# Allegro board MB1225_REVB_160222_1K.brd (continued)
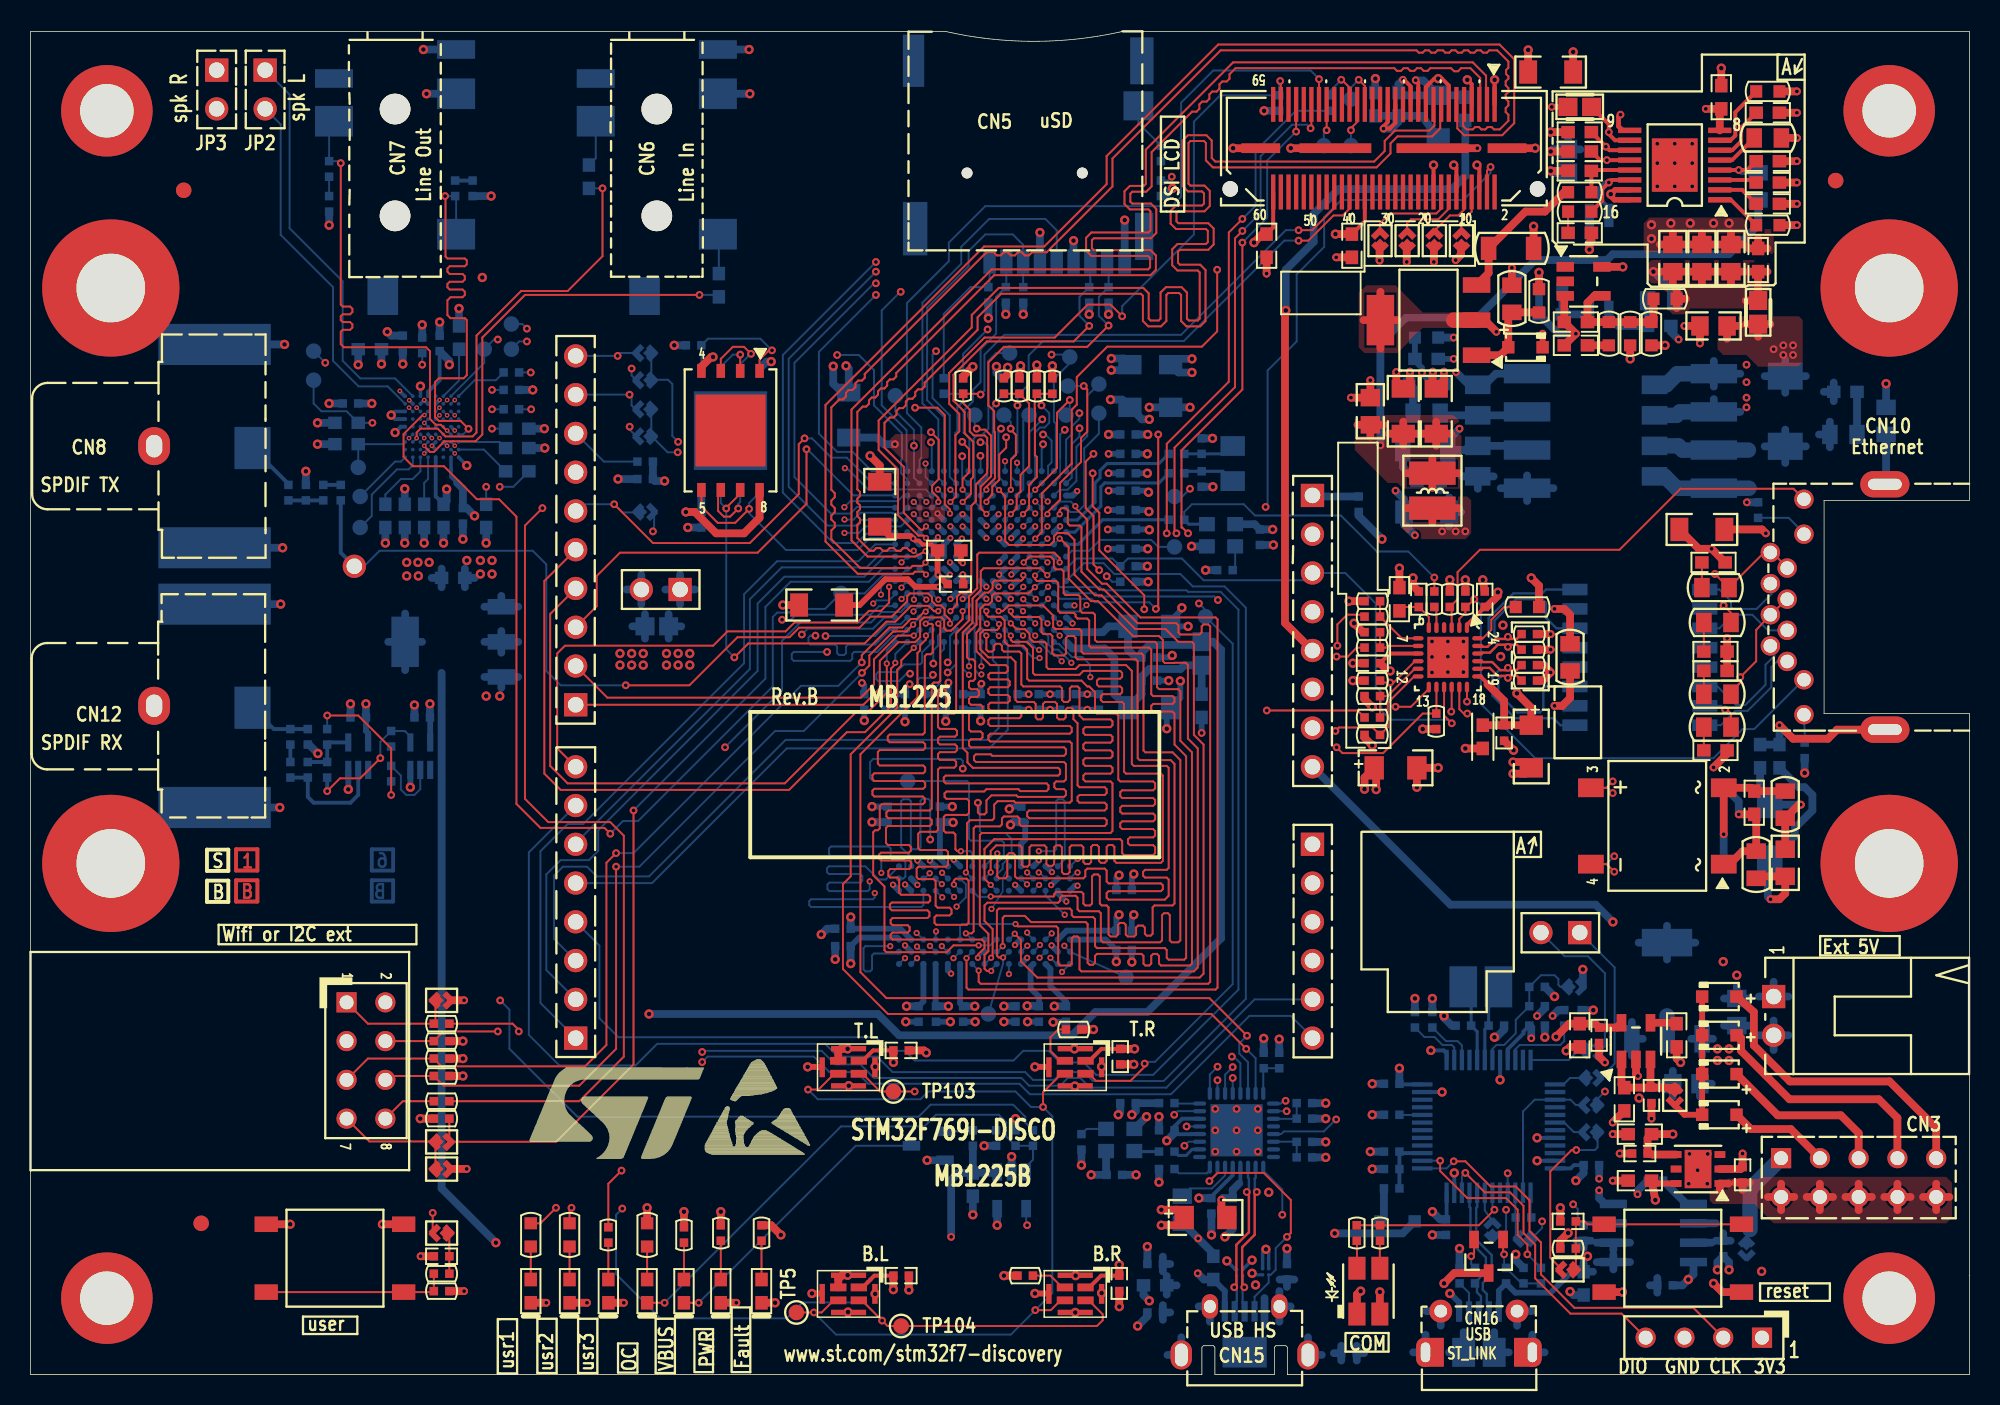
[diagram p0: board, top side]
## Nets (continued)
NETC200_1: C200.1 R85.1 U10.2
NETCN1_8: CN1.8 SB1.1
NETCN1_10: CN1.10 SB2.1
NETCN1_14: CN1.14 SB3.1
NETCN1_16: CN1.16 SB4.1
NETCN1_39: CN1.39 R7.2
NETCN2_1: CN2.1 R50.2 SB5.2
NETCN2_7: CN2.7 SB6.2 SB8.2
NETCN2_8: CN2.8 R57.1
NETCN5_10: CN5.10 R73.2
NETCN9_8: CN9.8 R98.1
NETCN10_1: CN10.1 T4.16
NETCN10_2: CN10.2 T4.14
NETCN10_3: CN10.3 T4.11
NETCN10_4: CN10.4 CN10.5 D4.4 R42.2
NETCN10_6: CN10.6 T4.9
NETCN10_7: CN10.7 CN10.8 D4.3 R26.2
NETCN11_1: CN11.1 R103.1
NETCN14_5: CN14.5 SB13.2 SB14.2
NETCN14_6: CN14.6 SB11.2 SB12.2
NETCN15_4: CN15.4 D12.A2 U20.23
NETCN16_4: CN16.4 R149.2
NETD1_1: D1.1 R10.2 R12.2 T1.1
NETD1_2: D1.2 R2.2
NETD3_1: D3.1 R24.1
NETD5_2: D5.2 D6.2 D7.2 D8.2 SB7.1
NETD9_3: D9.3 R46.2 T4.15
NETD9_4: D9.4 R33.2 T4.10
NETD11_2: D11.2 R141.2
NETJP2_1: JP2.1 U11.B1
NETJP2_2: JP2.2 U11.A2
NETJP3_1: JP3.1 U11.C3
NETJP3_2: JP3.2 U11.B3
NETLD1_1: LD1.1 R62.2
NETLD2_1: LD2.1 R63.2
NETLD3_1: LD3.1 R64.1
NETLD4_1: LD4.1 R65.1
NETLD4_2: LD4.2 R129.1 R130.2 U21.3
NETLD5_1: LD5.1 R66.1
NETLD5_2: LD5.2 T5.3
NETLD6_1: LD6.1 R58.2
NETLD7_1: LD7.1 R59.1
NETLD7_2: LD7.2 R150.1 U22.8
NETLD8_2: LD8.2 R60.2
NETLD8_3: LD8.3 R61.2
NETR1_2: R1.2 U1.7
NETR2_1: R2.1 R10.1 U1.10
NETR3_2: R3.2 U1.5
NETR4_2: R4.2 R9.2 T1.3
NETR5_2: R5.2 U1.14 U10.4
NETR6_1: R6.1 U1.1
NETR20_2: R20.2 R21.2 U13.E5
NETR27_2: R27.2 U3.5
NETR30_1: R30.1 R32.1 U3.7
NETR31_1: R31.1 U3.24
NETR34_1: R34.1 R36.1 U3.8
NETR38_1: R38.1 T4.7
NETR38_2: R38.2 T4.2
NETR43_1: R43.1 R44.1 U3.11
NETR51_1: R51.1 U6.2
NETR64_2: R64.2 SB15.1
NETR71_1: R71.1 U9.2
NETR87_1: R87.1 U11.D4 U11.D5
NETR88_2: R88.2 U11.H1
NETR94_1: R94.1 U11.G2
NETR95_2: R95.2 U11.F3
NETR100_2: R100.2 R101.1
NETR107_2: R107.2 X2.1
NETR108_2: R108.2 U13.L5
NETR112_1: R112.1 R117.2 U15.2
NETR115_1: R115.1 R116.2 U16.2
NETR121_2: R121.2 U19.3
NETR122_2: R122.2 U19.2
NETR126_1: R126.1 U20.32
NETR127_2: R127.2 U19.44
NETR131_1: R131.1 R132.2 T5.1
NETR134_2: R134.2 X4.1
NETR136_2: R136.2 U20.26
NETR139_1: R139.1 U20.24
NETR140_1: R140.1 U22.5
NETR142_1: R142.1 U20.22
NETR145_1: R145.1 R146.2 R147.1 T3.1
NETR148_2: R148.2 T3.2
NETU20_17: U20.17 U21.4
NRST: CN11.3 R106.1 SB10.1 SB20.2 U3.15 U13.J1 U20.27
OSC_24M: R136.1 X4.3
OSC_25M: R27.1 R104.1 X2.3
OSC_IN: C142.2 U19.5 X3.2
OSC_OUT: C141.2 U19.6 X3.1
PA0: SB9.1 U13.N3
PA1: R45.1 U3.14 U13.N2
PA2: R47.1 U3.12 U13.P2
PA3: U13.R2 U20.3
PA5: U13.P4 U20.1
PA7: R44.2 U13.R3
PA8: CN1.45 TP2.1 U13.F15
PA9: JP5.1 SB18.1 U13.E15
PA10: JP5.2 SB17.1 U13.D15
PA13: SB22.2 U13.A15
PA14: SB19.2 U13.A14
PA15: CN1.47 U13.A13
PB0: U13.R5 U20.4
PB1: U13.R4 U20.5
PB2: U12.6 U13.M5 U250.6
PB3: R92.2 R93.2 U13.A10
PB4: CN5.2 R82.1 U13.A9
PB5: U13.A8 U20.13
PB6: R86.1 U12.1 U13.B6 U250.1
PB7: CN1.40 R90.2 R95.1 U13.B5
PB10: U13.P12 U20.6
PB11: U13.R13 U20.7
PB12: U13.L13 U20.9
PB13: U13.K14 U20.10
PC0: U13.M2 U20.29
PC1: U3.13 U13.M3
PC3: TP101.1 TP103.1 U5.4 U6.4 U13.L4
PC4: R36.2 U13.N5
PC5: R32.2 U13.P5
PC9: U12.5 U13.F14 U250.5
PC10: U12.2 U13.B14 U250.2
PC11: TP100.1 TP104.1 U8.4 U9.4 U13.B13
PC12: R50.1 U13.A12
PC13: TP14.1 U13.D1
PC14: R97.2 U13.E1
PC15: R99.2 U13.F1
PD2: R57.2 U13.D12
PD3: TP5.1 TP102.1 U5.3 U6.3 U8.3 U9.3 U13.C11
PD4: R129.2 U13.D11
PD5: R40.2 U3.10 U13.C10
PD6: CN5.5 U13.B11
PD7: CN5.3 R81.1 U13.A11
PD11: R7.1 R100.1 TP20.1 U13.N10
PD12: CN1.44 R17.1 R88.1 U13.M10
PD13: U12.7 U13.M11 U250.7
PE0: U13.A6 U17.K9
PE1: U13.A5 U17.K1
PE2: U12.3 U13.A3 U250.3
PE3: TP11.1 U11.F2 U13.A2
PE4: TP6.1 U11.E3 U13.A1
PE5: TP8.1 U11.G1 U13.B1
PE6: TP7.1 U11.E4 U13.B2
PF11: U13.P8 U17.J9
PG3: CN2.5 R56.2 U13.M12
PG4: U13.N12 U17.J7
PG5: U13.N11 U17.H8
PG6: R52.1 SB6.1 U13.J15
PG7: TP22.1 U11.D3 U13.J14
PG8: TP26.1 U13.H14 U17.J1
PG9: CN5.7 R80.1 U13.D9
PG10: CN5.8 R79.1 U13.C8
PG11: U3.16 U13.B8
PG12: R112.2 R114.2 U13.C7 U15.4
PG13: U3.17 U13.B3
PG14: U3.18 U13.A4
PG15: U13.B7 U17.K7
PH0: R104.2 U13.G1
PH1: TP21.1 U13.H1
PH2: U13.K4 U17.J2
PH3: U13.J4 U17.J8
PH4: U13.H4 U20.2
PH5: TP28.1 U13.J3 U17.K8
PH7: CN2.6 R54.2 U13.N13
PI4: U13.C3 U17.F8
PI5: U13.D3 U17.F2
PI8: TP12.1 U13.C2
PI11: U13.F3 U20.31
PI12: TP13.1 U13.E3
PI13: CN1.4 U13.G3
PI14: CN1.53 U13.H3
PI15: R73.1 R76.1 U13.G4
PJ2: CN1.49 U13.P7
PJ5: R63.1 U13.M14
PJ12: U11.G3 U13.B10
PJ13: R62.1 U13.B9
PJ14: CN2.4 R200.2 U13.C9
PJ15: CN1.57 R8.2 U13.D10
PK3: TP9.1 U13.D8
PK4: TP18.1 U13.D7
PK5: TP17.1 U13.C6
PK6: TP16.1 U13.C5
PK7: TP15.1 U13.C4
POE1: C3.1 C4.2 C9.1 C12.1 C20.1 C24.1 C70.1 C75.1 C81.1 R9.1 R12.1 R74.1 T2.1 T100.4 U1.9 U10.3
POE2: R24.2 T2.2 T100.3
POE3: R23.2 T1.2 T1.4 T2.3 T100.2
POE4: C20.2 C22.2 L5.1 T2.4 T100.1
POE5: D2.1 R22.1 T2.5 T2.6 T100.7 T100.8
POE7: B2.2 B2.3 C1.1 C2.1 C3.2 C13.1 C14.1 C15.1 C16.1 C18.1 C23.1 C25.1 C27.1 C28.1 C29.1 C30.1 C31.1 C33.1 C35.1 C36.2 C38.2 C41.2 C42.1 C43.1 C44.2 C45.2 C46.1 C47.1 C48.1 C49.1 C50.1 C51.1 C52.1 C53.1 C54.1 C55.2 C56.2 C63.1 C64.2 C65.2 C66.2 C67.1 C68.2 C69.2 C71.2 C72.1 C73.1 C74.2 C76.1 C77.1 C78.2 C79.1 C80.1 C83.1 C84.1 C85.1 C86.1 C88.1 C90.2 C91.2 C92.2 C93.2 C94.2 C95.1 C96.1 C97.1 C98.1 C99.1 C100.1 C101.2 C102.1 C103.1 C104.1 C105.1 C106.1 C107.1 C108.1 C109.1 C110.1 C111.1 C112.1 C113.1 C114.1 C115.1 C116.2 C117.1 C118.1 C123.1 C124.1 C125.1 C126.1 C127.1 C128.1 C129.1 C130.1 C131.1 C132.1 C133.1 C134.1 C135.1 C136.1 C137.1 C138.1 C139.1 C140.2 C141.1 C142.1 C143.1 C144.2 C145.1 C146.1 C147.2 C148.2 C149.1 C150.2 C151.1 C152.1 C153.1 C154.1 C155.1 C156.1 C157.1 CN1.1 CN1.6 CN1.7 CN1.12 CN1.13 CN1.18 CN1.19 CN1.61 CN1.62 CN1.63 CN1.64 CN4.3 CN5.6 CN5.9 CN6.2 CN6.3 CN7.2 CN7.3 CN8.1 CN8.2 CN8.3 CN9.7 CN11.6 CN11.7 CN12.1 CN12.2 CN12.3 CN16.5 CN16.6 CN16.7 CN16.8 CN16.9 CN16.10 CN16.11 D12.B1 D12.B2 D13.B1 D13.B2 H1.1 H2.1 H3.1 H4.1 H5.1 H6.1 H7.1 H8.1 JP1.2 L3.1 L8.1 LD1.2 LD2.2 LD3.2 LD6.2 LD8.1 R14.1 R15.1 R18.1 R21.1 R28.1 R29.1 R31.2 R40.1 R70.1 R77.2 R78.2 R96.2 R102.2 R105.1 R108.1 R111.1 R113.1 R119.1 R121.1 R122.1 R124.1 R127.1 R128.1 R131.2 R133.1 R135.1 R139.2 R140.2 R146.1 R149.1 SB1.2 SB2.2 SB3.2 SB4.2 SB5.1 SB8.1 SB16.1 T2.7 T2.8 T5.2 T100.5 T100.6 U2.5 U3.25 U4.2 U5.2 U5.5 U6.5 U7.2 U7.7 U8.2 U8.5 U9.5 U11.A1 U11.A3 U11.A4 U11.A5 U11.C1 U11.D6 U11.E2 U11.E7 U11.E8 U11.F7 U11.G5 U11.H9 U12.4 U13.F2 U13.F6 U13.F7 U13.F8 U13.F9 U13.F10 U13.G6 U13.G10 U13.G12 U13.H6 U13.H10 U13.J6 U13.J10 U13.K6 U13.K7 U13.K8 U13.K9 U13.K10 U13.L6 U13.M1 U13.N1 U14.1 U15.3 U16.3 U17.A3 U17.B3 U17.B8 U17.C1 U17.D1 U17.E9 U17.F1 U17.L3 U17.L9 U17.M1 U17.N1 U17.P3 U17.P8 U17.R3 U18.1 U19.8 U19.20 U19.23 U19.35 U19.47 U20.33 U21.2 U22.4 U250.4 X2.2 X4.2
PWR_ENN: R144.1 U19.28 U22.3
PWR_EXT: R135.2 R138.1 R141.1 U19.39
RD_N: R37.2 T4.8 U3.22
RD_P: R35.2 T4.6 U3.23
REFSEL0: R123.1 R124.2 U20.8
REFSEL1: R125.1 R128.2 U20.11
REFSEL2: R133.2 R137.1 U20.14
SCLK_MCLK: CN1.35 TP1.1
STLINK_RX: SB18.2 U19.13
STLINK_TX: SB17.2 U19.12
STM_JTCK: CN4.2 U19.37
STM_JTMS: CN4.4 U19.34
STM_RST: C132.2 R118.1 SB16.2 U19.7
SWO: R92.1 SB21.2
T_JTCK: SB19.1 U19.15 U19.26
T_JTMS: R143.1 SB22.1 U19.27
T_NRST: SB20.1 U19.18
T_SWDIO_IN: R143.2 U19.25
T_SWO: SB21.1 U19.31
TD_N: R41.2 T4.3 U3.20
TD_P: R39.2 T4.1 U3.21
USB_HS_N: CN15.2 D13.A1 U20.19
USB_HS_P: CN15.3 D13.A2 U20.18
USB_RENUMN: R145.2 U19.38
USB_STLK_N: CN16.2 U19.32
USB_STLK_P: CN16.3 R148.1 U19.33
USD_D2: CN5.1 R83.1 R93.1
VREF+: C85.2 C101.1 C102.2 R98.2 R110.2 U13.P1

Pads without a net: CN1 2 20 22 24 25 26 28 30 31 32 33 34 38 41 42 43 46 48 50 51 52 54 55 56 58 59; CN5 11 12 13 14; CN6 5 7; CN7 5 7; T4 4 5 12 13; U2 1 2; U3 4; U7 3 5; U11 A6 A8 B4 B5 B8 C4 C5 C7 C8 E1 E5 F4 F5 F6 F8 F9 G4 H2 H3 H4 H5; U12 9; U15 1; U16 1; U17 E7 H3 H7 K2 K3; U19 4 11 14 16 17 19 21 22 29 40 41 42 43 45 46; U20 12 15 16 25; U250 9

## Via types
v1: diameter 0.61, hole 0.305, TOP to BOTTOM, 349 vias
v2: diameter 0.508, hole 0.254, TOP to BOTTOM, 354 vias
v3: diameter 0.406, hole 0.203, TOP to BOTTOM, 219 vias
v4: diameter 0.305, hole 0.152, TOP to BOTTOM, 27 vias

## Routing (per net, layer and track width the routed paths; a pad name or vN(x,y) marks a point on that pad's centre or on a via; arc(x,y) is an arc through that point)
1V8: length 171.6
  TOP w0.254: CN1.60 81.4,75.16 C2.2
  TOP w0.508: C2.2 80.69,74.72 v1(80.14,74.17)
  L4_SIG w0.508: v1(80.14,74.17) 80.14,73.66 78.11,71.63 67.56,71.63 66.17,73.03 57.02,73.03 56.13,73.91 51.44,73.91 49.4,71.88 v1(29.59,71.88) ; v1(74.42,15.32) 74.42,14.86 73.15,13.59 73.15,12.7 72.77,12.32 62.1,12.32 60.33,10.54 50.93,10.54 49.66,11.81 42.29,11.81 39.12,8.64 v1(30.48,8.64)
  BOTTOM w0.229: U11.D8 v4(25.79,60.35) ; U11.G9 27.54,59.33
  BOTTOM w0.254: 27.94,58.42 27.54,58.82 27.54,59.33 ; U11.D1 26.04,64.39 26.8,65.15 C64.1 ; U20.28 76.04,15.75 76.03,15.74 75.19,15.74 C145.2 74.93,16.26 75.43,16.76 76.57,16.76 U20.30
  BOTTOM w0.508: v1(74.42,15.32) 74.93,15.82 C145.2 ; 26.92,45.97 26.92,12.19 v1(30.48,8.64) ; 30.84,47.29 U14.2 ; U14.2 30.84,48.72 ; U14.2 31.94,48.01 ; U14.2 29.73,48.01 ; U14.4 25.64,48.01 ; U14.4 24.54,49.86 ; U14.4 24.54,46.15 ; U14.4 23.43,48.01 ; 26.28,52.2 C100.2 ; C100.2 26.92,52.81 ; C100.2 26.92,51.59 ; C64.1 27.43,66.42 v1(27.43,66.17) ; v1(29.08,56.26) 28.57,56.77 28.32,56.77 28.32,58.04 27.94,58.42 ; C94.1 v1(24.51,58.04)
  vias: v1(24.64,53.21) v1(24.64,52.32) v1(25.37,53.21) v1(25.4,52.32) v1(26.11,53.21)
3V3: length 161.8
  TOP w0.254: U3.9 89.02,47.24 C33.2 ; C56.1 70.13,6.48 69.35,5.71 U9.1 ; CN1.36 87.4,75.57 C1.2 ; U6.1 69.36,20.56 70.14,21.34 C45.1 ; C44.1 55.18,21.23 54.51,20.56 U5.1 ; C55.1 55.27,6.48 55.01,6.22 55.01,6.21 54.85,6.05 54.84,6.05 54.5,5.71 U8.1
  TOP w0.508: v1(65.91,66.14) R20.1 ; R45.2 v1(91.19,42.29) ; R67.2 100.2,8.76 v1(100.71,9.27) ; v1(86.36,50.67) R30.2 ; v1(56.52,20.45) 56.52,20.45 C44.1 ; R39.1 99.11,46.48 99.57,46.02 v2(99.57,46) 99.03,45.47 R41.1 ; R66.2 v1(42.8,10.67) ; C56.1 v1(71.31,7.19) ; R71.2 v1(63.75,6.48) ; R52.2 v1(25.53,16.76) ; v1(88.14,38.33) 88.14,39.62 C38.1 87.38,39.12 v1(87.38,38.35) ; U7.4 106.24,14.41 C49.2 105.92,15.49 C48.2 v1(107.57,15.75) ; v1(42.93,56.52) 43.51,56.52 44.91,55.12 46.74,55.12 47.75,56.13 U250.8 ; v1(40.39,10.92) R65.2 ; R43.2 87.38,44.25 v1(87.88,43.74) ; v1(87.88,41.22) 87.38,41.73 R47.2 ; R51.2 v1(69.62,22.61) ; C33.2 88.9,46.1 v1(89.05,46.1) ; B1.4 v1(17.01,9.84) ; B1.1 v1(23.05,9.84) ; v1(64.85,66.09) 64.85,65.86 64.77,65.79 R19.1 ; C55.1 v1(56.52,5.56) ; R200.1 v1(28.32,21.84) ; v1(93.98,41.02) L2.2 ; R35.1 v2(99.57,48.51) ; R54.1 v1(28.32,19.56) ; R37.1 v2(99.57,47.5) ; v1(61.72,66.04) 61.09,65.41 R17.2 ; C45.1 v1(72.31,21.34) ; R34.2 87.27,48.64 v1(86.69,49.23) ; v1(85.47,74.72) C1.2 ; R56.1 v1(28.32,20.7)
  BOTTOM w0.229: v4(24.8,63.84) 25.04,63.6 U11.B2 ; v4(25.79,63.85) 25.54,63.6 U11.C2
  BOTTOM w0.254: C92.1 26.54,57.54 U11.E9 ; U11.D2 26.03,63.6 v4(25.79,63.85)
  BOTTOM w0.381: U17.L1 64.88,34.79 65.15,35.05 65.15,36.2 ; U17.E1 59.56,33.82 C124.2 ; U15.5 26.18,43.04 C117.2 ; U17.A7 56.76,28.63 54.28,28.63 C130.2 ; v3(66.85,32.07) U17.P2 ; C133.2 67.82,24.43 66.8,25.45 66.8,26.58 U17.N9 ; U17.L7 64.84,28.5 v3(64.48,28.14) ; C134.2 66.06,24.15 66.06,24.74 65.51,25.3 65.51,26.72 U17.M9 ; C118.2 21.97,42.16 22.11,42.02 U16.5 ; C137.2 59.28,24.15 U17.D9 ; U17.P7 67.87,29.08 C128.2 71.12,29.95 v1(71.3,30.12) ; U17.B2 57.68,32.49 v3(58.09,32.08) ; C136.2 60.88,24.33 U17.F9 ; C126.2 71.12,32.54 v1(71.3,32.72) ; C127.2 56.97,29.21 U17.B7 ; U17.R7 70.43,28.5 C131.2 v1(71.12,27.05) ; C138.2 58.48,24.45 U17.C9
  BOTTOM w0.508: R106.2 v1(73.15,52.96) ; C92.1 27.25,57.23 v1(27.25,58.01) ; v1(76.96,52.7) R107.1 ; v1(72.14,17.02) 72.39,17.27 C144.1 R126.2 ; 83.95,17.78 v1(84.84,17.78) ; C136.2 v1(61.85,24.13) ; R76.2 74.3,77.22 v1(74.8,77.72) ; R20.1 v1(65.91,66.14) ; R83.2 v1(62.74,69.22) ; 39.42,49.02 R109.2 ; R109.2 40.25,49.82 ; R109.2 40.25,48.22 ; R82.2 v1(63.88,69.47) ; R8.1 v1(80.8,82.8) ; R134.1 v1(68.83,13.72) ; 83.95,14.22 v1(84.84,14.22) ; R91.1 63.63,65.28 63.27,65.64 v1(63.27,66.05) ; 30.84,44.99 U14.3 ; U14.3 29.73,45.71 ; U14.3 31.94,45.71 ; X2.4 80.17,55.72 C98.2 v1(81.36,55.37) ; v1(65.28,24.15) 66.06,24.15 ; 65.15,36.2 C123.2 64.36,36.2 v1(64.19,36.02) ; v1(60.43,36.17) 60.4,36.2 C124.2 ; C127.2 v1(53.72,29.97) ; C67.2 v1(22.99,66.21) ; R86.2 v1(42.16,67.44) ; R130.1 v1(64.52,16.76) ; v1(69.47,13.08) C147.1 70.45,13.12 X4.4 ; C135.2 v1(63.75,24.13) ; 39.04,51.44 JP4.2 ; JP4.2 40.01,52.4 ; JP4.2 40.01,50.47 ; R81.2 v1(65.02,69.47) ; 21.46,63.63 v1(22.35,63.63) ; R19.1 64.77,65.79 64.85,65.86 v1(64.85,66.09) ; C65.1 v1(24.38,66.21) ; C118.2 v1(21.97,43.94) ; C133.2 v1(67.06,24.13) ; v1(42.93,56.52) C96.2 U12.8 ; R123.2 v1(81.79,21.97) ; R79.2 v1(70.61,69.47) ; R94.2 v1(32.89,64.52) ; C138.2 v1(57.38,24.13) ; C117.2 v1(26.16,43.94) ; R87.2 v1(25.65,68.78) ; C125.2 v1(55.12,36.2) ; CN5.4 v1(66.12,74.83) ; v1(53.72,26.92) C130.2 ; C137.2 v1(60.12,24.13) ; R80.2 v1(69.34,69.47)
  vias: v1(29.84,44.45) v1(30.73,44.45) v1(38.61,47.24) v1(38.61,46.48) v1(39.37,47.24) v1(39.37,46.48) v1(40.13,47.24) v1(40.13,46.48)
3V3_ST_LINK: length 25.9
  TOP w0.508: LD8.4 v1(88.38,5.41) ; v1(92.58,5.97) 93.26,6.65 T3.3 ; v1(99.92,22.13) 100.78,22.99 C41.1 102.49,22.99 C42.2 103.9,22.73 U4.5
  BOTTOM w0.254: C143.2 89.71,19.01 U19.48 ; C151.2 92.75,10.2 U19.36 ; U19.24 100.88,13.51 101.09,13.72 C146.2 ; U19.9 96.75,21.32 97.79,22.35 97.79,22.48 C140.1 ; U19.1 92.75,21.04 92.56,21.23 v1(91.72,21.23)
  BOTTOM w0.508: R120.1 100.08,23.88 v2(99.69,23.5) ; C146.2 101.73,13.21 v1(101.22,12.7) ; R138.2 v1(87.88,13.46) ; v2(98.68,23.5) 99.19,24 R118.2 ; C151.2 92.33,10.16 v1(91.82,10.67) ; v2(98.3,22.03) 98.3,22.73 C140.1 ; C143.2 v1(89.66,20.07)
5V: length 145.1
  TOP w0.381: U7.6 106.61,12.51 C51.2
  TOP w0.508: 111.21,12.51 U7.1 110.66,12.08 ; 113.8,11.63 CN3.2 ; CN3.2 114.66,12.5 ; CN3.2 115.53,11.63 ; CN3.2 114.66,10.77 ; CN3.10 125.69,11.63 ; CN3.10 124.82,10.77 ; CN3.10 123.96,11.63 ; CN3.10 124.82,12.5 ; C50.2 112.62,12.57 ; C50.2 112.14,12.09 ; C50.2 111.66,12.57 ; CN3.4 117.2,12.5 ; CN3.4 116.34,11.63 ; CN3.4 117.2,10.77 ; CN3.4 118.07,11.63 ; CN3.6 119.74,12.5 ; CN3.6 118.88,11.63 ; CN3.6 119.74,10.77 ; CN3.6 120.61,11.63 ; R58.1 v1(45.21,10.67) ; CN3.8 123.15,11.63 ; CN3.8 122.28,12.5 ; CN3.8 121.42,11.63 ; CN3.8 122.28,10.77 ; v1(82.22,69.72) 82.17,69.67 82.17,49.24 CN11.5 ; v1(106.43,11.43) C51.2
  L4_SIG w0.508: v1(45.21,10.67) 48.92,10.67 49.94,9.65 63.19,9.65 v1(63.31,9.78) 65.09,11.56 v1(76.53,11.56) 77.34,10.74 79.88,10.74 80.26,11.13 83.39,11.13 85.27,9.25 v1(85.42,9.25) 89.08,9.25 89.74,9.91 98.04,9.91 99.44,8.51 105.03,8.51 106.58,10.06 106.58,11.28 v1(106.43,11.43)
  BOTTOM w0.254: U20.21 78.74,13.06 77.34,11.66 C150.1
  BOTTOM w0.508: U21.5 v1(63.31,9.78) ; C150.1 v1(76.53,11.56) ; v1(82.22,69.72) 82.22,72.39 84.05,74.22 84.05,76.05 85.67,77.67 93.12,77.67 93.98,78.54 L4.1 ; D11.1 89.87,9.25 v1(85.42,9.25)
5V_POE: length 108.7
  TOP w0.508: C16.2 113.77,72.26 ; C16.2 113.16,71.61 ; C16.2 112.55,72.26 ; 107.82,69.87 R11.2 ; R11.2 107.82,71.1 ; R11.2 108.42,70.48 ; D6.1 112.04,22.05 112.04,21.21 115.21,18.03 121.06,18.03 122.28,16.81 CN3.7 ; C13.2 108.41,72.26 ; C13.2 106.73,72.26 ; C13.2 107.57,71.49 ; C14.2 110.31,72.26 ; C14.2 108.64,72.26 ; C14.2 109.47,71.49 ; 112.36,70.37 R16.2 113.16,71.2 ; 110.54,72.26 C15.2 ; C15.2 111.38,71.49 ; C15.2 112.22,72.26
  L4_SIG w0.508: CN3.7 122.28,17.39 117.22,22.45 117.22,29.21 114.2,32.23 102.67,32.23 98.86,36.04 98.86,50.47 103.38,54.99 103.38,69.09 106.3,72.01 v1(106.3,72.26)
  BOTTOM w0.508: v1(106.3,72.26) 107.7,70.87 R84.2
5V_ST_LINK: length 9.6
  BOTTOM w0.508: 110.39,8.76 C152.2 ; C152.2 111.35,8.76 ; C152.2 110.87,9.25 ; U22.7 110.11,8.64 ; U22.6 110.39,9.91
  BOTTOM w1.016: 112.62,9.5 112.62,12.14 CN3.1
5V_USB_CHARGER: length 111.5
  TOP w0.508: CN3.9 124.82,16.15 121.77,19.2 115.24,19.2 112.88,21.56 112.88,23.76 D5.1 ; R59.2 48.51,9.78 v1(49.15,9.14)
  L4_SIG w0.508: v1(101.98,7.75) 99.19,7.75 97.82,9.12 93.24,9.12 92.43,8.31 84.15,8.31 82.68,9.78 80.75,9.78 79.22,8.26 77.39,8.26 76.5,7.37 75.06,7.37 74.24,6.55 72.95,6.55 71.5,8 59.44,8 58.93,8.51 49.78,8.51 v1(49.15,9.14) ; CN3.9 123.55,12.9 123.55,10.77 122.91,10.13 120.5,10.13 117.12,6.76 v1(113.39,6.76)
  BOTTOM w0.356: CN16.1 96.17,5.49 R147.2
  BOTTOM w0.381: R147.2 97.26,5.36 99.57,5.36 100.84,6.63
  BOTTOM w0.508: U22.1 103.68,7.85 ; U22.1 104.77,7.37 ; U22.1 103.68,6.88 ; U22.1 102.58,7.37 ; 106.07,5.84 106.55,5.84 ; 106.55,5.84 106.55,6.33 ; 106.55,5.84 106.55,5.36 ; 103.68,8.15 U22.2 ; U22.2 102.58,8.64 ; U22.2 104.77,8.64 ; 101.12,6.73 C155.2 ; C155.2 102.34,6.73 ; C155.2 101.73,7.38 ; 101.73,8.28 R144.2 ; R144.2 101.24,8.76 ; R144.2 102.21,8.76
5V_USB_HS: length 59.2
  TOP w0.508: CN3.3 115.29,16.08 112.68,16.08 D8.1
  L4_SIG w0.508: CN3.3 118.47,12.91 118.47,10.41 116.81,8.76 109.35,8.76 107.57,6.99 93.85,6.99 93.34,7.49 81.15,7.49 80.29,6.63 v1(80.01,6.63) v2(76.45,6.63)
  BOTTOM w0.203: v1(80.01,6.63) 80.11,6.53 D12.A1
  BOTTOM w0.381: CN15.1 78.22,5.47 L7.2
  BOTTOM w0.508: v2(76.45,6.63) 76.86,6.22 L7.2
AGND: length 11.4
  TOP w0.356: U1.15 103.78,77.62 v1(103.5,77.34) 103.5,77.22 103.75,76.97 U1.16
  TOP w0.508: C11.2 v2(115.7,76.71) ; C6.1 v1(99.57,81.41) ; R6.2 v2(115.7,75.31) ; v1(99.57,80.14) C7.1 ; C10.2 v2(115.7,78.11)
  BOTTOM w0.508: R74.2 100.71,81.1 ; R74.2 101.51,80.28 ; R74.2 99.71,80.28 v1(99.57,80.14)
VDD: length 40.6
  BOTTOM w0.381: U13.L8 v3(62.61,50.82) ; C97.2 v2(70.56,55.37) ; v3(62.61,55.6) 62.61,55.61 U13.E8 ; U13.C1 68.26,57.59 v3(68.55,57.89) ; U13.H11 U13.G11 59.99,54.56 59.99,54.56 v3(60.25,54.81) ; C86.2 v2(70.61,57.91) ; C80.2 v2(70.61,60.33) ; 69.98,44.58 v2(69.22,44.58) 68.45,44.58 ; v2(62.28,45.26) 62.23,45.21 62.23,44.58 61.09,44.58 ; U13.L7 v3(63.41,50.82) ; 64.64,44.58 v2(65.38,44.58) ; U13.G5 v3(65.01,54.77) ; U13.E7 v3(63.41,56.37) ; U13.K5 64.62,51.99 v3(64.24,51.61) ; v3(64.25,52.42) 64.25,52.42 U13.J5 ; v2(54.46,45.31) 54.61,45.16 54.61,44.58 ; v2(76.71,42.04) L6.1 ; 67.44,44.58 v2(66.78,44.58) 66.04,44.58 ; v2(60.12,45.34) 60.12,44.7 59.99,44.58 58.55,44.58 ; C99.2 v2(70.56,54.1) ; v2(57.58,45.24) 57.28,44.93 57.28,44.58 56.01,44.58 ; U13.F5 v3(64.24,54.8) ; U13.J11 v3(60.22,52.4) 60.22,52.39 U13.K11 ; U13.H5 64.25,53.22 v3(64.25,53.22) ; U13.F4 v3(65.81,55.57) ; C88.2 v2(70.56,56.64) ; U13.E10 61.01,56.37 v3(61.05,56.37) U13.E9 ; C83.2 v2(70.61,59.05) ; U13.F11 v3(59.45,55.57) ; U13.L10 v3(60.25,50.82) ; U13.L9 v3(61.05,50.82)
  BOTTOM w0.508: v1(73.28,62.59) 72.8,62.59 C69.1 71.5,63.88 v1(70.74,63.88) ; C76.2 v1(70.61,61.59) ; JP4.1 42.55,52.4 ; JP4.1 42.55,50.47 ; JP4.1 43.51,51.44 ; JP4.1 41.58,51.44 ; 41.8,48.22 R109.1 ; R109.1 41.8,49.82 ; R109.1 42.62,49.02 ; v1(75.95,63.37) C68.1 v1(73.28,63.37)
  vias: v1(41.66,47.24) v1(41.66,46.48) v1(42.42,47.24) v1(42.42,46.48) v1(43.18,47.24) v1(43.18,46.48)
VDDA: length 15.8
  BOTTOM w0.508: U13.R1 68.25,47.57 70.36,47.57 70.99,46.94 70.99,44.58 C116.1 72.77,44.58 C103.2 72.77,45.72 73.28,46.23 75.32,46.23 75.56,46.47 R110.1 L6.2
VIN: length 41.5
  L4_SIG w0.508: v1(105.36,18.11) 104.27,19.2 104.27,21.72 103.64,22.34 v1(103.64,29.65)
  BOTTOM w0.508: 104.89,20.89 U18.3 ; U18.3 105.6,22 ; U18.3 104.89,23.1 ; C129.2 107.57,19.89 ; C129.2 107.57,18.21 ; C129.2 106.79,19.05 ; CN11.8 93,30.78 102.51,30.78 v1(103.64,29.65)
AIN_1: length 6.3
  BOTTOM w0.127: R119.2 R120.2 100.46,21.84 100.2,21.59 97.54,21.59 97.25,21.31 U19.10
ARD_A0: length 26.7
  L4_SIG w0.102: v3(68.17,46.63) 73.1,46.63 73.74,46 77.57,46 80.49,43.08 80.49,38.21 CN14.1
  BOTTOM w0.127: v3(68.17,46.63) 67.31,47.5 67.01,47.5 66.66,47.84 66.66,48.36 U13.P3
ARD_A1: length 30.3
  L4_SIG w0.102: CN14.2 80.06,36.11 80.06,42.52 77.65,44.93 74.37,44.93 73.05,46.25 67.46,46.25 67.08,46.63 67.08,47.22 66.24,48.06 66.24,48.78 v3(65.81,49.22)
  BOTTOM w0.127: U13.N4 v3(65.81,49.22)
ARD_A2: length 45.5
  L4_SIG w0.102: CN14.3 84.9,29.66 88.67,33.43 88.67,41.48 87.12,43.03 87.12,46.99 85.6,48.51 81.53,48.51 80.39,49.66 76.71,49.66 75.62,50.75 72.47,50.75 71.5,49.78 68.86,49.78 68.6,50.04 68.23,50.04 68,50.27 66.36,50.27 66.18,50.45 65.66,50.45 65.31,50.8 v3(65.02,50.8)
  BOTTOM w0.127: v3(65.02,50.8) U13.M4
ARD_A3: length 45.8
  L4_SIG w0.102: CN14.4 83.97,27.63 89.36,33.02 89.36,41.96 88.65,42.67 88.65,43.97 87.63,44.98 87.63,49.02 86.87,49.78 85.72,49.78 84.45,51.05 78.08,51.05 v2(77.77,50.75)
  BOTTOM w0.127: U13.L1 69.76,51.19 69.98,50.98 77.55,50.98 v2(77.77,50.75)
ARD_A4: length 46.9
  TOP w0.127: v2(69.62,60.33) 69.11,59.82 69.11,56.77 69.62,56.26 69.62,53.08 v2(70,52.71)
  L4_SIG w0.102: v2(69.62,60.33) 69.49,60.45 66.12,60.45 65.59,60.98 63.53,60.98 62.97,61.54 61.72,61.54 60.76,62.51 59.03,62.51 58.67,62.87 57.71,62.87 55.55,65.02 43.43,65.02 40.51,62.1 v2(39.24,62.1) ; v2(70,52.71) 69.44,52.15 67.51,52.15 66.98,51.61 v3(66.65,51.61)
  BOTTOM w0.127: U13.L3 66.47,51.43 66.47,51.43 v3(66.65,51.61) ; v2(39.24,62.1) 39.24,61.91 SB14.1
ARD_A5: length 58.7
  TOP w0.127: v2(73.86,61.6) 73.86,50.29 73.74,50.16 v2(73.71,50.16)
  L4_SIG w0.102: v2(73.86,61.6) 73.86,61.65 73.41,62.1 70.23,62.1 69.47,61.34 67.56,61.34 66.7,62.2 66.7,62.76 66.45,63.02 66.07,63.02 65.79,62.74 63.02,62.74 62.26,63.5 59.82,63.5 55.37,67.94 41.78,67.94 39.94,66.1 39.56,66.1 v2(39.37,65.91)
  BOTTOM w0.127: v2(39.37,65.91) 39.37,65.46 SB12.1 ; U13.L2 67.4,50.83 69.49,50.83 69.72,50.6 73.28,50.6 v2(73.71,50.16)
ARD_D0: length 47.4
  BOTTOM w0.127: CN13.1 33.4,24.35 33.4,34.29 35.18,36.07 36.2,36.07 46.74,46.61 46.74,51.13 48.9,53.29 54.23,53.29 55.33,54.39 U13.G15
ARD_D1: length 43.8
  BOTTOM w0.127: CN13.2 33.78,26.5 33.78,32.77 34.72,33.71 36.58,33.71 37.19,34.32 37.19,35.66 47.62,46.1 47.62,50.52 49.38,52.27 54.61,52.27 55.93,53.59 U13.H15
ARD_D2: length 45.6
  BOTTOM w0.127: CN13.3 34.29,28.54 34.29,32.69 34.87,33.27 36.45,33.27 37.08,32.64 40.51,32.64 49.45,41.58 62.64,41.58 63.41,42.35 63.41,46.42 63.03,46.8 U13.R7
ARD_D3: length 91
  BOTTOM w0.127: CN13.4 37.26,28.11 37.26,23.34 38.51,22.1 55.37,22.1 56.26,21.21 57.28,21.21 57.91,20.57 64.39,20.57 65.02,21.21 66.67,21.21 67.44,20.45 68.99,20.45 69.8,19.63 73.53,19.63 79.12,25.22 79.12,50.11 77.95,51.28 75.82,51.28 75.72,51.38 70.23,51.38 70.03,51.59 67.43,51.59 U13.K2
ARD_D4: length 38.3
  BOTTOM w0.127: U13.R6 64.01,47.82 64.01,42.24 62.79,41.02 49.53,41.02 40.71,32.2 CN13.5
ARD_D5: length 32.6
  BOTTOM w0.127: CN13.6 35.71,34.82 47.12,46.23 47.12,50.8 49.2,52.88 54.76,52.88 55.85,53.98 57.01,53.98 U13.G14
ARD_D6: length 107.4
  BOTTOM w0.127: U13.K1 69,53.16 70.28,53.16 70.99,52.45 75.31,52.45 76.12,51.64 78.21,51.64 79.6,50.24 79.6,24.61 74.22,19.23 69.6,19.23 69.01,19.81 67.56,19.81 67.06,19.3 65.66,19.3 65.15,19.81 56.46,19.81 55.45,20.83 52.88,20.83 52.04,21.67 41.05,21.67 39.62,20.24 34.65,20.24 32.64,22.25 32.64,34.21 CN13.7
ARD_D7: length 42.3
  TOP w0.127: CN13.8 34.49,41.03 34.49,47.24 35,47.75 44.7,47.75 45.64,48.69 49.45,48.69 50.04,49.28 54.15,49.28 54.91,50.04 55.7,50.04 56.24,50.57 v3(56.24,51.61)
  L4_SIG w0.102: v3(62.64,49.2) 62.61,49.2 62.15,49.66 62.15,50.67 60.64,52.18 60.64,52.51 60.33,52.83 59.36,52.83 59.03,52.5 59.03,52.07 58.75,51.79 57.35,51.79 57.18,51.97 56.59,51.97 v3(56.24,51.61)
  BOTTOM w0.102: v3(62.64,49.2) 62.24,49.59 U13.N8
ARD_D8: length 31.4
  TOP w0.127: CN9.1 54.55,43.88 55.63,44.96 55.63,46.76 56.85,47.99 57.94,47.99 58.27,48.31 58.27,49.35 58.52,49.61 59.66,49.61 59.84,49.43 59.84,48.9 59.99,48.74 60.3,48.74 61.05,49.5 v3(61.05,50.02)
  BOTTOM w0.127: U13.M9 v3(61.05,50.02)
ARD_D9: length 26.2
  TOP w0.127: CN9.2 37.78,44.35 54.38,44.35 55.25,45.21 55.25,46.86 56.8,48.42 v3(57.85,48.42)
  BOTTOM w0.127: U13.P13 v3(57.85,48.42)
ARD_D10: length 30.3
  TOP w0.127: CN9.3 37.08,50.34 37.08,52.32 38.61,53.85 47.62,53.85 50.83,57.05 v2(50.83,60.63)
  BOTTOM w0.127: v2(50.83,60.63) 50.88,60.63 53.9,57.61 56.62,57.61 U13.C15
ARD_D11: length 40.9
  TOP w0.127: CN9.4 34.04,49.83 34.04,39.88 35.18,38.73 49.4,38.73 54.05,43.38 54.81,43.38 56.08,44.65 v3(56.08,46.58)
  BOTTOM w0.127: v3(56.08,46.58) 56.08,47.45 U13.R15
ARD_D12: length 45.6
  TOP w0.127: CN9.5 33.66,51.99 33.66,39.37 34.72,38.3 49.68,38.3 53.47,42.09 54.66,42.09 56.36,43.79 56.36,46.25 56.64,46.53 v3(56.64,46.63)
  BOTTOM w0.127: v3(56.64,46.63) 56.64,47.21 U13.R14
ARD_D13: length 30
  TOP w0.127: v2(50.7,61.34) 50.32,60.96 50.32,57.68 47.12,54.48 40.77,54.48 v2(38.23,57.02)
  BOTTOM w0.127: CN9.6 36.15,57.02 v2(38.23,57.02) 38.77,56.48 SB15.2 ; v2(50.7,61.34) 51.18,61.34 52.45,60.07 53.47,60.07 55.14,58.39 U13.B15
ARD_D14: length 44.3
  L4_SIG w0.102: v2(66.22,63.5) 65.91,63.5 65.41,62.99 63.09,62.99 62.33,63.75 60.07,63.75 55.63,68.2 41.02,68.2 38.73,65.91 38.73,64.7 v2(39.23,64.2)
  BOTTOM w0.102: 65.79,60.05 65.79,58.75 U13.B4
  BOTTOM w0.127: CN9.9 v2(39.23,64.2) 39.37,64.07 39.37,63.5 39.62,63.25 SB13.1 ; R89.2 66.22,63.96 v2(66.22,63.5) 66.73,62.99 66.73,62.36 66.42,62.05 66.12,62.05 65.79,61.72 65.79,60.05
ARD_D15: length 37.3
  L4_SIG w0.102: v2(38.46,66.74) 40.42,68.71 55.88,68.71 59.82,64.77 62.33,64.77 63.25,63.86 v2(63.25,63.63)
  BOTTOM w0.127: R91.2 63.25,63.75 v2(63.25,63.63) 63.03,63.41 U13.A7 ; CN9.10 v2(38.46,66.74) 38.65,66.94 SB11.1
BOOT0: length 10.2
  TOP w0.127: v3(64.21,56.37) 64.59,56.76 64.59,57.61 64.85,57.86 64.85,58.95 65.41,59.51 65.41,63.63 R19.2 R18.2
  BOTTOM w0.102: U13.E6 v3(64.21,56.37)
CHASSIS: length 40.4
  TOP w0.508: v2(113.67,55.12) 113.41,55.37 C89.1 ; v2(114.55,42.55) 115.44,41.66 117.73,41.66 118.32,42.25 CN10.14
  L4_SIG w0.508: CN10.13 119.13,58.33 118.78,58.67 115.06,58.67 114.15,57.76 114.15,55.6 v2(113.67,55.12) 112.88,54.33 112.88,47.07 114.55,45.39 v2(114.55,42.55)
  BOTTOM w0.508: C122.2 C121.1 v2(114.55,42.55) ; CN10.13 121.54,58.41 R96.1